# Altium PCB Fri3d_2026_DJ_00.PcbDoc (part 2 of 2)
Units mm, origin at the board's own origin, x right, y up, seen from the top; angles counter-clockwise.
Board outline 165 x 74 mm, 2 copper layers (Top Layer, Bottom Layer), stack 1.571 mm thick; 65 components, 59 nets, 274 pads, 135 vias.
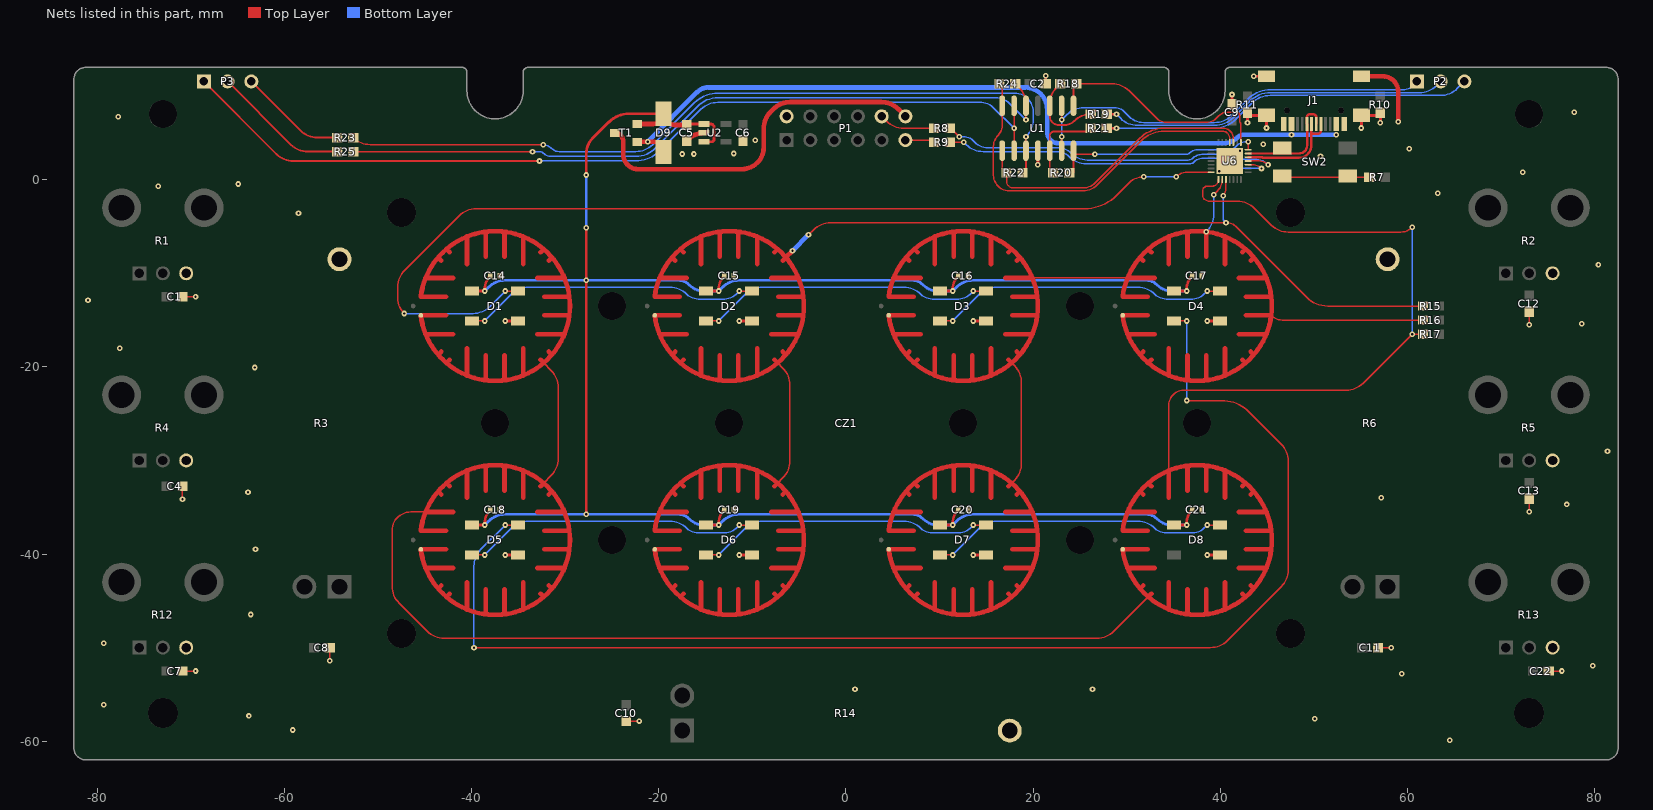
[diagram p2: the nets of this part, all layers, seen from the top]

## Via types
v1: diameter 0.6, hole 0.25, Top Layer to Bottom Layer, 135 vias

## Nets (pads, with @x,y where several pads share a name; then routed paths per layer and width w, separated by ;. In a path a pad name is that pad's centre, name@x,y a point inside that pad or via, vN(x,y) a via of type N, cw(c..) or ccw(c..) an arc to the next point about the centre after c; other vN are vias at no path point) (continued)
GND: C1.2 C2.2 C4.2 C5.2 C6.2 C7.2 C8.2 C9.2 C10.2 C11.2 C12.2 C13.2 C14.2 C15.2 C16.2 C17.2 C18.2 C19.2 C20.2 C21.2 C22.2 D1.3 D2.3 D3.3 D4.3 D5.3 D6.3 D7.3 D8.3 J1.A1 J1.A12 J1.B1 J1.B12 J1.MH1 J1.MH2 J1.MH3 J1.MH4 P1.2 R1.3 R2.3 R3.3 R4.3 R5.3 R6.3 R10.2 R11.2 R12.3 R13.3 R14.3 U1.11 U2.2 U6.29 | length 47.4
  Top Layer w0.15: C7.2@-70.9,-52.5 v1(-69.5,-52.5) ; v1(-70.9,-34.15) C4.2@-70.9,-32.75 ; C1.2@-70.9,-12.5 v1(-69.5,-12.5) ; v1(-55.15,-51.4) C8.2@-55.15,-50 ; C10.2@-23.5,-57.85 v1(-22.1,-57.85) ; C11.2@56.85,-50 v1(58.25,-50) ; v1(73,-35.5) C13.2@73,-34.1 ; v1(73,-15.5) C12.2@73,-14.1 ; C22.2@75.1,-52.5 v1(76.5,-52.5)
  Top Layer w0.3: v1(-36.4,-40.1) D5.3@-35.05,-40.1 ; v1(-36.4,-15.1) D1.3@-35.05,-15.1 ; v1(-11.4,-40.1) D6.3@-10.05,-40.1 ; v1(-11.4,-15.1) D2.3@-10.05,-15.1 ; v1(13.6,-40.1) D7.3@14.95,-40.1 ; v1(13.6,-15.1) D3.3@14.95,-15.1 ; v1(20.5,1.6) U1.11@20.5,3.1 ; C2.2@21.35,10.25 v1(21.35,11.1) ; v1(38.6,-40.1) D8.3@39.95,-40.1 ; v1(38.6,-15.1) D4.3@39.95,-15.1 ; C9.2@41.25,8.05 v1(41.25,9.1) ; v1(42.9,6.1) R11.2@42.9,7.15 43.182,6.868 J1.MH4@44.93,6.868 v1(44.93,5.518) ; v1(43.58,11.048) J1.MH3@44.93,11.048 ; v1(55.07,5.518) J1.MH1@55.07,6.868 56.818,6.868 R10.2@57.1,7.15 v1(57.1,6.1)
  Top Layer w0.5: C5.2@-17,4.15 -16.84,4.31 cw(c-15.175,2.646) U2.2@-15.175,5 ; J1.MH2@55.07,11.048 57.352,11.048 cw(c57.352,9.4) 59,9.4 v1(59,6.2)
  other v1: 64.5,-59.9 -59.1,-58.8 50.1,-57.6 -63.8,-57.3 -79.3,-56.1 0.964,-54.442 26.336,-54.442 59.4,-52.8 79.786,-51.947 -79.299,-49.522 -63.59,-46.465 -63.1,-39.5 77,-34.7 57.2,-34 -63.9,-33.4 81.367,-29.035 -63.169,-20.074 -77.6,-18 78.6,-15.4 -81,-12.9 80.4,-9.1 -58.5,-3.6 63.222,-1.445 -73.5,-0.7 -64.926,-0.465 72.3,0.8 39.9,0.9 50.7,2.5 -17.5,2.75 -16.25,2.75 -12,2.8 42.1,3.1 60.174,3.303 44.6,3.8 -9.7,4.2 -77.752,6.739 77.8,7.2
I2C.SCL: P1.11 R9.2 | length 3.2
  Top Layer w0.15: P1.11@6.35,4.23 9.305,4.23 R9.2@9.4,4
I2C.SDA: P1.10 R8.2 | length 6
  Top Layer w0.15: P1.10@3.81,6.77 4.336,6.244 ccw(c6.132,8.04) 6.132,5.5 R8.2@9.4,5.5
IO.DCK: R9.1 U6.24 | length 35.9
  Top Layer w0.15: R9.1@11.1,4 v1(12.6,4) ; U6.24@42.975,1.6 43.487,1.6 cw(c43.487,0.363) 44.362,1.238 v1(44.4,1.2)
  Bottom Layer w0.15: v1(12.6,4) 12.856,3.744 ccw(c14.652,5.54) 14.652,3 22.508,3 cw(c22.508,1.102) 23.85,2.444 ccw(c25.646,4.24) 25.646,1.7 36.717,1.7 ccw(c36.717,2.383) 37.2,1.9 cw(c38.166,0.934) 38.166,2.3 40.072,2.3 cw(c40.072,0.422) 41.4,1.75 ccw(c42.728,3.078) 42.728,1.2 v1(44.4,1.2)
IO.DIO: R8.1 U6.25 | length 37.8
  Top Layer w0.15: R8.1@11.1,5.5 11.2,5.5 v1(12.1,4.6) ; U6.25@42.975,2 44.16,2 cw(c44.16,0.697) 45.082,1.618 v1(45.1,1.6)
  Bottom Layer w0.15: v1(12.1,4.6) 12.546,4.6 cw(c12.546,3.143) 13.577,4.173 13.75,4 ccw(c15.157,5.407) 15.157,3.417 22.62,3.417 cw(c22.62,1.334) 24.093,2.807 ccw(c25.8,4.514) 25.8,2.1 36.559,2.1 ccw(c36.559,2.866) 37.1,2.324 cw(c38.007,1.417) 38.007,2.7 40.976,2.7 cw(c40.976,1.676) 41.7,2.4 ccw(c42.183,2.883) 42.183,2.2 43.651,2.2 cw(c43.651,0.151) v1(45.1,1.6)
LED.DATA: D1.4 U6.14 | length 108.1
  Top Layer w0.15: v1(-47.2,-14.3) cw(c-45.51,-12.61) -47.9,-12.61 -47.9,-11.452 cw(c-45.36,-11.452) -47.156,-9.656 -41.344,-3.844 cw(c-39.548,-5.64) -39.548,-3.1 25.487,-3.1 ccw(c25.487,1.761) 28.924,-1.676 30.264,-0.336 cw(c31.8,-1.873) v1(31.8,0.3) ; v1(-36.4,-11.9) D1.4@-35.05,-11.9 ; v1(35.3,0.312) cw(c36.478,-0.866) 36.478,0.8 U6.14@39.025,0.8
  Bottom Layer w0.15: v1(-47.2,-14.3) -39.852,-14.3 ccw(c-39.852,-11.76) -38.056,-13.556 v1(-36.4,-11.9) ; v1(31.8,0.3) cw(c31.829,0.271) 31.829,0.312 v1(35.3,0.312)
NetD1_2: D1.2 D2.4 | length 31.9
  Top Layer w0.15: D1.2@-39.95,-15.1 v1(-38.6,-15.1) ; v1(-11.4,-11.9) D2.4@-10.05,-11.9
  Bottom Layer w0.15: v1(-38.6,-15.1) -35.744,-12.244 cw(c-33.948,-14.04) -33.948,-11.5 -18.802,-11.5 cw(c-18.802,-14.04) -17.006,-12.244 ccw(c-15.784,-11.022) -15.784,-12.75 -12.958,-12.75 ccw(c-12.958,-11.04) -11.749,-12.249 v1(-11.4,-11.9)
NetD2_2: D2.2 D3.4 | length 31.9
  Top Layer w0.15: D2.2@-14.95,-15.1 v1(-13.6,-15.1) ; v1(13.6,-11.9) D3.4@14.95,-11.9
  Bottom Layer w0.15: v1(-13.6,-15.1) -10.744,-12.244 cw(c-8.948,-14.04) -8.948,-11.5 6.198,-11.5 cw(c6.198,-14.04) 7.994,-12.244 ccw(c9.216,-11.022) 9.216,-12.75 12.042,-12.75 ccw(c12.042,-11.04) 13.251,-12.249 v1(13.6,-11.9)
NetD3_2: D3.2 D4.4 | length 31.9
  Top Layer w0.15: D3.2@10.05,-15.1 v1(11.4,-15.1) ; v1(38.6,-11.9) D4.4@39.95,-11.9
  Bottom Layer w0.15: v1(11.4,-15.1) 14.256,-12.244 cw(c16.052,-14.04) 16.052,-11.5 31.198,-11.5 cw(c31.198,-14.04) 32.994,-12.244 ccw(c34.216,-11.022) 34.216,-12.75 37.042,-12.75 ccw(c37.042,-11.04) 38.251,-12.249 v1(38.6,-11.9)
NetD4_2: D4.2 D5.4 | length 141.9
  Top Layer w0.15: v1(-39.75,-50) 38.948,-50 ccw(c38.948,-47.46) 40.744,-49.256 46.506,-43.494 ccw(c44.71,-41.698) 47.25,-41.698 47.25,-30.052 ccw(c44.71,-30.052) 46.506,-28.256 43.051,-24.801 ccw(c40.151,-27.701) 40.152,-23.6 v1(36.4,-23.6) ; v1(-36.4,-36.9) D5.4@-35.05,-36.9 ; D4.2@35.05,-15.1 v1(36.4,-15.1)
  Bottom Layer w0.15: v1(-39.75,-50) -39.75,-41.302 cw(c-37.21,-41.302) -39.006,-39.506 v1(-36.4,-36.9) ; v1(36.4,-23.6) v1(36.4,-15.1)
NetD5_2: D5.2 D6.4 | length 31.9
  Top Layer w0.15: D5.2@-39.95,-40.1 v1(-38.6,-40.1) ; v1(-11.4,-36.9) D6.4@-10.05,-36.9
  Bottom Layer w0.15: v1(-38.6,-40.1) -35.744,-37.244 cw(c-33.948,-39.04) -33.948,-36.5 -18.802,-36.5 cw(c-18.802,-39.04) -17.006,-37.244 ccw(c-15.784,-36.022) -15.784,-37.75 -12.958,-37.75 ccw(c-12.958,-36.04) -11.749,-37.249 v1(-11.4,-36.9)
NetD6_2: D6.2 D7.4 | length 31.9
  Top Layer w0.15: D6.2@-14.95,-40.1 v1(-13.6,-40.1) ; v1(13.6,-36.9) D7.4@14.95,-36.9
  Bottom Layer w0.15: v1(-13.6,-40.1) -10.744,-37.244 cw(c-8.948,-39.04) -8.948,-36.5 6.198,-36.5 cw(c6.198,-39.04) 7.994,-37.244 ccw(c9.216,-36.022) 9.216,-37.75 12.042,-37.75 ccw(c12.042,-36.04) 13.251,-37.249 v1(13.6,-36.9)
NetD7_2: D7.2 D8.4 | length 31.9
  Top Layer w0.15: D7.2@10.05,-40.1 v1(11.4,-40.1) ; v1(38.6,-36.9) D8.4@39.95,-36.9
  Bottom Layer w0.15: v1(11.4,-40.1) 14.256,-37.244 cw(c16.052,-39.04) 16.052,-36.5 31.198,-36.5 cw(c31.198,-39.04) 32.994,-37.244 ccw(c34.216,-36.022) 34.216,-37.75 37.042,-37.75 ccw(c37.042,-36.04) 38.251,-37.249 v1(38.6,-36.9)
NetP2_1: P2.1 U1.2 U1.13 | length 45.2
  Top Layer w0.15: U1.13@23.04,3.1 v1(23.04,4.604) ; v1(23.04,6.396) U1.2@23.04,7.9
  Bottom Layer w0.15: v1(23.04,4.604) v1(23.04,6.396) 23.6,6.956 cw(c25.396,5.16) 25.396,7.7 28.7,7.7 cw(c28.7,6.251) 29.724,7.276 30.264,6.736 ccw(c31.8,8.273) 31.8,6.1 39.375,6.1 ccw(c39.375,8.64) 41.171,6.844 42.92,8.592 cw(c45.352,6.16) 45.352,9.6 59.5,9.6 ccw(c59.5,11.049) P2.1@60.524,10.024 ; P2.1@60.524,10.024 P2.1@61,10.5
NetP2_2: P2.2 R19.2 | length 37.7
  Top Layer w0.3: R19.2@27.85,7 v1(28.9,7)
  Bottom Layer w0.15: v1(28.9,7) 29.356,6.544 ccw(c31.152,8.34) 31.152,5.8 39.375,5.8 ccw(c39.375,8.64) 41.383,6.632 43.132,8.38 cw(c45.352,6.16) 45.352,9.3 61.288,9.3 ccw(c61.288,11.84) 63.084,10.044 P2.2@63.54,10.5
NetP2_3: P2.3 R21.2 | length 39.9
  Top Layer w0.3: R21.2@27.85,5.5 v1(28.9,5.5)
  Bottom Layer w0.15: v1(28.9,5.5) 39.375,5.5 ccw(c39.375,8.64) 41.595,6.42 43.344,8.168 cw(c45.352,6.16) 45.352,9 63.528,9 ccw(c63.528,11.54) 65.324,9.744 P2.3@66.08,10.5
NetP3_1: P3.1 U1.6 U1.9 | length 98.2
  Top Layer w0.15: U1.9@17.96,3.1 U1.6@17.96,7.9
  Top Layer w0.2: P3.1@-68.62,10.5 -60.864,2.744 ccw(c-59.068,4.54) -59.068,2 v1(-32.75,2)
  Bottom Layer w0.15: v1(-32.75,2) -22.466,2 ccw(c-22.466,5.54) -19.963,3.037 -15.494,7.506 cw(c-13.698,5.71) -13.698,8.25 14.511,8.25 cw(c14.511,6.564) 15.704,7.756 v1(17.96,5.5)
NetP3_2: P3.2 R25.2 | length 14.8
  Top Layer w0.2: P3.2@-66.08,10.5 -59.324,3.744 ccw(c-57.528,5.54) -57.528,3 R25.2@-54.35,3 R25.2@-54.4,3
NetP3_3: P3.3 R23.2 | length 11.6
  Top Layer w0.2: P3.3@-63.54,10.5 -58.284,5.244 ccw(c-56.488,7.04) -56.488,4.5 R23.2@-54.35,4.5
NetR7_2: R7.2 SW2.1 | length 9.3
  Top Layer w0.15: SW2.1@46.6,0.4 ccw(c46.962,0.762) 46.962,0.25 R7.2@55.9,0.25
NetR18_2: R18.2 R19.1 U1.3 | length 9
  Top Layer w0.2: R18.2@22.9,10.25 22.514,9.864 ccw(c24.31,8.068) 21.77,8.068 U1.3@21.77,7.9 21.77,6.809 ccw(c22.74,6.809) 22.74,5.839 23.373,5.839 ccw(c23.373,7.22) 24.35,6.243 24.369,6.262 cw(c26.15,4.481) R19.1@26.15,7
NetR20_2: R20.2 R21.1 U1.12 | length 9.1
  Top Layer w0.2: R20.2@22.15,0.75 21.77,0.75 U1.12@21.77,3.1 21.77,4.65 cw(c22.279,4.65) 22.279,5.159 25.809,5.159 ccw(c25.809,5.5) R21.1@26.15,5.5
NetR22_2: R22.2 R23.1 U1.10 | length 83.6
  Top Layer w0.15: R23.1@-52.65,4.5 -52.644,4.494 ccw(c-50.848,6.29) -50.848,3.75 v1(-32.354,3.75) ; U1.10@19.23,3.1 v1(19.23,4.604)
  Top Layer w0.2: R22.2@18.85,0.75 19.23,0.75 U1.10@19.23,3.1
  Bottom Layer w0.15: v1(-32.354,3.75) cw(c-32.354,2.646) -31.573,3.427 -31.5,3.354 ccw(c-30.646,4.207) -30.646,3 -22.466,3 ccw(c-22.466,5.54) -20.67,3.744 -16.201,8.213 cw(c-13.698,5.71) -13.698,9.25 18,9.25 cw(c18,7.25) 20,7.25 20,6.426 cw(c17.46,6.426) 19.256,4.63 v1(19.23,4.604)
NetR24_2: R24.2 R25.1 U1.5 | length 79.4
  Top Layer w0.15: R25.1@-52.65,3 v1(-33.5,3) ; v1(19.23,6.396) U1.5@19.23,7.9
  Top Layer w0.2: R24.2@18.1,10.25 18.486,9.864 cw(c16.69,8.068) 19.23,8.068 U1.5@19.23,7.9
  Bottom Layer w0.15: v1(-33.5,3) -32.854,3 cw(c-32.854,2.146) -32.25,2.75 ccw(c-31.646,3.354) -31.646,2.5 -22.466,2.5 ccw(c-22.466,5.54) -20.317,3.39 -15.848,7.86 cw(c-13.698,5.71) -13.698,8.75 15.976,8.75 cw(c15.976,6.577) 17.513,8.113 v1(19.23,6.396)
ROW0: CZ1.2 CZ1.8 CZ1.16 R17.2 U6.15 | length 185.5
  Top Layer w0.15: -44.925,-35.5 -46.5,-35.5 ccw(c-46.5,-37.5) -48.5,-37.5 -48.5,-43.448 ccw(c-45.96,-43.448) -47.756,-45.244 -44.744,-48.256 ccw(c-42.948,-46.46) -42.948,-49 26.836,-49 ccw(c26.836,-46.46) 28.632,-48.256 32.305,-44.583 ; -32.305,-32.417 -31.494,-31.606 ccw(c-33.29,-29.81) -30.75,-29.81 -30.75,-22.19 ccw(c-33.29,-22.19) -31.494,-20.394 -32.305,-19.583 ; 34.5,-31.075 34.5,-24.088 cw(c36.088,-24.088) 36.088,-22.5 53.448,-22.5 ccw(c53.448,-19.96) 55.244,-21.756 v1(60.5,-16.5) R17.2@61.65,-16.5 ; U6.15@39.8,0.025 cw(c39.042,0.025) 39.578,-0.511 cw(c39.122,-0.056) 39.122,-0.7 38.61,-0.7 ccw(c38.61,-1.21) 38.1,-1.21 38.1,-1.6 ccw(c38.8,-1.6) 38.8,-2.3 41.848,-2.3 cw(c41.848,-4.84) 43.644,-3.044 45.456,-4.856 ccw(c47.252,-3.06) 47.252,-5.6 59.293,-5.6 ccw(c59.293,-3.893) v1(60.5,-5.1)
  Bottom Layer w0.15: v1(60.5,-16.5) v1(60.5,-5.1)
ROW1: CZ1.4 CZ1.10 CZ1.12 R16.2 U6.16 | length 46.1
  Top Layer w0.15: 17.695,-32.417 18.006,-32.106 ccw(c16.21,-30.31) 18.75,-30.31 18.75,-21.69 ccw(c16.21,-21.69) 18.006,-19.894 17.695,-19.583 ; 19.925,-10.5 30.075,-10.5 ; v1(39.3,-1.6) 39.687,-1.213 ccw(c38.45,0.025) U6.16@40.2,0.025 ; 45.427,-14.5 ccw(c46.634,-13.293) 46.634,-15 R16.2@61.65,-15
  Bottom Layer w0.15: v1(38.5,-5.573) 38.556,-5.517 ccw(c36.76,-3.721) 39.3,-3.721 v1(39.3,-1.6)
ROW2: CZ1.6 CZ1.14 R15.2 U6.17 | length 91.5
  Top Layer w0.15: -7.305,-32.417 -6.744,-31.856 ccw(c-8.54,-30.06) -6,-30.06 -6,-21.94 ccw(c-8.54,-21.94) -6.744,-20.144 -7.305,-19.583 ; v1(-4.012,-5.9) -3.456,-5.344 cw(c-1.66,-7.14) -1.66,-4.6 v1(40.6,-4.6) 40.695,-4.6 cw(c40.695,-5.932) 41.637,-4.99 42.275,-5.628 49.224,-12.577 ccw(c51.452,-10.349) 51.452,-13.5 R15.2@61.65,-13.5 ; v1(40.3,-1.7) ccw(c39.576,-0.976) 40.6,-0.976 U6.17@40.6,0.025
  Top Layer w0.5: -6.417,-8.305 v1(-5.712,-7.6)
  Bottom Layer w0.15: v1(40.3,-1.7) 40.3,-4.3 v1(40.6,-4.6)
  Bottom Layer w0.5: v1(-5.712,-7.6) v1(-4.012,-5.9)
SCRATCH.A1: R18.1 U1.1 U6.1 | length 25.1
  Top Layer w0.15: R18.1@24.6,10.25 28.448,10.25 cw(c28.448,7.71) 30.244,9.506 33.206,6.544 ccw(c34.212,7.549) 34.212,6.127 38.538,6.127 ccw(c38.538,7.549) 39.544,6.544 39.833,6.833 cw(c40.702,5.964) 40.702,7.193 41.746,7.193 cw(c41.746,6.886) 42.052,6.886 42.052,6.258 ccw(c42.259,6.258) 42.113,6.112 cw(c41.902,5.901) 42.2,5.901 U6.1@42.2,3.975
  Top Layer w0.2: U1.1@24.31,7.9 24.31,10.25 R18.1@24.6,10.25
SCRATCH.A2: R24.1 U1.7 U6.4 | length 39.8
  Top Layer w0.15: U1.7@16.69,7.9 16.69,5.812 cw(c15.188,5.812) 16.25,4.75 ccw(c17.457,3.543) 15.75,3.543 15.75,0.5 ccw(c17.435,0.5) 17.435,-1.185 25.31,-1.185 ccw(c25.31,1.022) 26.871,-0.539 31.627,4.217 cw(c33.961,1.883) 33.961,5.184 40.216,5.184 cw(c40.216,4.4) 41,4.4 U6.4@41,3.975
  Top Layer w0.2: R24.1@16.4,10.25 16.69,10.25 U1.7@16.69,7.9
SCRATCH.B1: R20.1 U1.14 U6.28 | length 22.7
  Top Layer w0.15: U1.14@24.31,2.7 v1(26.6,2.7) ; U6.28@42.975,3.2 v1(42.975,4.05)
  Top Layer w0.2: R20.1@23.85,0.75 24.31,0.75 24.31,2.7 U1.14@24.31,3.1
  Bottom Layer w0.15: v1(26.6,2.7) 36.35,2.7 ccw(c36.35,3.266) 36.75,2.866 cw(c37.557,2.059) 37.557,3.2 40.776,3.2 ccw(c40.776,4.506) 41.7,3.583 cw(c42.828,2.454) 42.828,4.05 v1(42.975,4.05)
SCRATCH.B2: R22.1 U1.8 U6.3 | length 31.6
  Top Layer w0.15: R22.1@17.15,0.75 17.15,-0.135 ccw(c17.9,-0.135) 17.9,-0.885 25.31,-0.885 ccw(c25.31,1.022) 26.659,-0.327 31.415,4.429 cw(c33.961,1.883) 33.961,5.484 40.316,5.484 cw(c40.316,4.4) 41.4,4.4 U6.3@41.4,3.975
  Top Layer w0.2: U1.8@16.69,3.1 16.69,1.65 16.7,1.64 16.7,1.15 17.1,0.75 R22.1@17.15,0.75
USB.D_n: J1.A7 J1.B7 U6.26 | length 11.8
  Top Layer w0.25: U6.26@42.975,2.4 44.5,2.4 44.5,2.35 48.4,2.35 ccw(c48.4,3.676) 49.726,3.676 49.726,4.661 49.726,5.928 cw(c49.75,5.928) J1.A7@49.75,5.953 ; 49.726,4.9 50.4,4.9 ccw(c50.4,5.25) 50.75,5.25 J1.B7@50.75,5.953
USB.D_p: J1.A6 J1.B6 SW2.2@46.6,3.4 U6.27 | length 11.9
  Top Layer w0.25: U6.27@42.975,2.8 48.4,2.8 ccw(c48.4,3.676) 49.276,3.676 49.276,5.927 J1.B6@49.25,5.953 49.25,6.655 cw(c49.6,6.655) 49.6,7.005 49.9,7.005 cw(c49.9,6.655) 50.25,6.655 J1.A6@50.25,5.953
VDJ: C5.1 C14.1 C15.1 C16.1 C17.1 C18.1 C19.1 C20.1 C21.1 D1.1 D2.1 D3.1 D4.1 D5.1 D6.1 D7.1 D8.1 D9.C T1.2 U2.1 U2.3 | length 241.6
  Top Layer w0.3: D5.1@-39.95,-36.9 v1(-38.6,-36.9) -38.6,-36.699 cw(c-36.551,-36.699) C18.1@-38,-35.25 ; D1.1@-39.95,-11.9 v1(-38.6,-11.9) -38.6,-11.699 cw(c-36.551,-11.699) C14.1@-38,-10.25 ; v1(-27.75,-35.75) v1(-27.75,-10.75) v1(-27.75,-5.137) v1@-27.75,-5.1 ; v1(-27.75,0.5) -27.75,2.793 cw(c-25.439,2.793) -27.073,4.427 -25.354,6.146 cw(c-23.172,3.965) -23.172,7.05 D9.C@-19.5,7.05 D9.C@-19.5,8.1 ; C5.1@-17,5.85 cw(c-16.759,5.609) -16.759,5.95 U2.1@-15.175,5.95 -14.45,5.95 cw(c-14.45,5.6) -14.1,5.6 -14.1,4.3 cw(c-14.35,4.3) -14.35,4.05 U2.3@-15.175,4.05 ; D6.1@-14.95,-36.9 v1(-13.6,-36.9) -13.6,-36.699 cw(c-11.551,-36.699) C19.1@-13,-35.25 ; D2.1@-14.95,-11.9 v1(-13.6,-11.9) -13.6,-11.699 cw(c-11.551,-11.699) C15.1@-13,-10.25 ; D7.1@10.05,-36.9 v1(11.4,-36.9) 11.4,-36.699 cw(c13.449,-36.699) C20.1@12,-35.25 ; D3.1@10.05,-11.9 v1(11.4,-11.9) 11.4,-11.699 cw(c13.449,-11.699) C16.1@12,-10.25 ; D8.1@35.05,-36.9 v1(36.4,-36.9) 36.4,-36.699 cw(c38.449,-36.699) C21.1@37,-35.25 ; D4.1@35.05,-11.9 v1(36.4,-11.9) 36.4,-11.699 cw(c38.449,-11.699) C17.1@37,-10.25
  Top Layer w0.5: T1.2@-22.3,5.95 -20.6,5.95 ccw(c-20.6,7.05) D9.C@-19.5,7.05 ccw(c-18.3,7.05) -18.3,5.85 C5.1@-17,5.85
  Bottom Layer w0.3: v1(-38.6,-36.9) -38.194,-36.494 cw(c-36.398,-38.29) -36.398,-35.75 -17.957,-35.75 cw(c-17.957,-37.457) -16.75,-36.25 ccw(c-15.181,-34.681) -15.181,-36.9 v1(-13.6,-36.9) -13.194,-36.494 cw(c-11.398,-38.29) -11.398,-35.75 7.043,-35.75 cw(c7.043,-37.457) 8.25,-36.25 ccw(c9.819,-34.681) 9.819,-36.9 v1(11.4,-36.9) 11.806,-36.494 cw(c13.602,-38.29) 13.602,-35.75 32.043,-35.75 cw(c32.043,-37.457) 33.25,-36.25 ccw(c34.819,-34.681) 34.819,-36.9 v1(36.4,-36.9) ; v1(-38.6,-11.9) -38.194,-11.494 cw(c-36.398,-13.29) -36.398,-10.75 v1(-27.75,-10.75) -17.957,-10.75 cw(c-17.957,-12.457) -16.75,-11.25 ccw(c-15.181,-9.681) -15.181,-11.9 v1(-13.6,-11.9) -13.194,-11.494 cw(c-11.398,-13.29) -11.398,-10.75 7.043,-10.75 cw(c7.043,-12.457) 8.25,-11.25 ccw(c9.819,-9.681) 9.819,-11.9 v1(11.4,-11.9) 11.806,-11.494 cw(c13.602,-13.29) 13.602,-10.75 32.043,-10.75 cw(c32.043,-12.457) 33.25,-11.25 ccw(c34.819,-9.681) 34.819,-11.9 v1(36.4,-11.9) ; v1(-27.75,-5.137) v1(-27.75,0.5)
VSYS: P1.12 T1.3 | length 39.3
  Top Layer w0.5: T1.3@-24.7,5 cw(c-24.7,4.1) -23.8,4.1 -23.8,2.7 ccw(c-22.23,2.7) -22.23,1.13 -11.11,1.13 ccw(c-11.11,3.44) -8.8,3.44 -8.8,5.448 cw(c-6.26,5.448) -8.056,7.244 -7.744,7.556 cw(c-5.948,5.76) -5.948,8.3 3.768,8.3 cw(c3.768,5.76) 5.564,7.556 P1.12@6.35,6.77
VUSB: D9.A J1.A4 J1.A9 J1.B4 J1.B9 T1.1 | length 84
  Top Layer w0.5: T1.1@-22.3,4.05 v1(-21.201,4.05) -20.6,4.05 cw(c-20.6,2.95) D9.A@-19.5,2.95
  Bottom Layer w0.5: v1(-21.201,4.05) -15.875,9.376 cw(c-14.707,8.208) -14.707,9.86 19.14,9.86 cw(c19.14,7.5) 21.5,7.5 21.5,5.076 ccw(c22.679,5.076) 22.679,3.896 40.343,3.896 ccw(c40.343,5.957) 41.8,4.5 cw(c42.524,3.776) 42.524,4.8 v1(47.6,4.8) v1(52.4,4.8)
pads on no net: CZ1.0 D8.2 J1.0 J1.A8 J1.B8 R1.MH R2.MH R4.MH R5.MH R12.MH R13.MH SW2.2@53.6,3.4 U2.4 U6.23

## Polygon pours and split planes (outlines as drawn)
GND on Top Layer "NONET_L-01_P-001" (solid, remove dead copper, pour order 0): -82.5,-62 -82.5,12 82.5,12 82.5,-62
GND on Bottom Layer "NONET_L-01_P-001" (solid, remove dead copper, pour order 1): -82.5,-62 -82.5,12 82.5,12 82.5,-62

## Keep-outs
Bottom Layer:
  circle w0.1: c-47.5,-3.5 r2.9
  circle w0.1: c-47.5,-48.5 r2.9
  circle w0.1: c47.5,-48.5 r2.9
  circle w0.1: c47.5,-3.5 r2.9
Keep-Out Layer:
  circle w0.1: c73,7 r2.9
  circle w0.1: c-73,7 r2.9
  circle w0.1: c-73,-57 r2.9
  circle w0.1: c73,-57 r2.9

## Other copper
Top Layer:
  rectangle net VUSB: 52.1,4.5 52.7,6.7
  rectangle net VUSB: 47.3,4.5 47.9,6.7
  region net GND: 47.1,5.2 44,5.2 44,7.6 46,7.6 46,7.2 ccw(c46.5,7.2) 46.5,6.7 47.1,6.7
  region net GND: 52.9,5.2 56,5.2 56,7.6 54,7.6 54,7.2 cw(c53.5,7.2) 53.5,6.7 52.9,6.7
  region net GND: 51.448,-53.432 52.366,-55.28 52.669,-55.153 52.683,-55.114 52.164,-54.075 54.163,-54.898 51.103,-56.158 51.094,-56.199 54.632,-59.737 58.17,-56.199 58.162,-56.158 55.102,-54.898 57.101,-54.075 56.593,-55.114 56.607,-55.153 56.91,-55.28 57.828,-53.432 57.8,-53.402 54.638,-54.706 51.476,-53.402 hole: 54.632,-55.095 57.565,-56.3 55.218,-58.641 56.415,-56.246 56.401,-56.207 56.099,-56.08 54.632,-59.018 53.166,-56.08 52.864,-56.207 52.849,-56.246 54.047,-58.647 51.7,-56.3
  region net GND: 460 vertices and 0 holes, not listed, extent 29.633,-56.336 31.436,-54.334
  region net GND: 638 vertices and 0 holes, not listed, extent 28.227,-58.375 31.511,-55.991
  region net GND: 380 vertices and 0 holes, not listed, extent 27.663,-55.85 29.726,-54.392
  region net GND: 570 vertices and 0 holes, not listed, extent 27.53,-58.26 28.624,-55.392
  region net GND: -26.395,-57.417 -26.408,-57.374 -26.437,-57.3 -26.531,-57.112 -26.628,-56.924 -26.697,-56.801 -26.845,-56.575 -27.016,-56.349 -27.196,-56.142 -27.366,-55.976 -27.521,-55.849 -27.697,-55.724 -27.862,-55.617 -27.928,-55.598 -27.962,-55.62 -28.097,-55.929 -28.224,-56.239 -28.32,-56.505 -28.353,-56.607 -28.461,-56.401 -28.665,-56.052 -28.899,-55.734 -29.158,-55.45 -29.441,-55.204 -29.527,-55.143 -29.645,-55.07 -29.765,-55.001 -29.799,-54.992 -29.81,-54.998 -29.842,-55.052 -29.878,-55.117 -29.917,-55.196 -29.997,-55.367 -30.054,-55.502 -30.109,-55.649 -30.185,-55.869 -30.274,-56.13 -30.382,-55.978 -30.495,-55.833 -30.637,-55.674 -30.786,-55.522 -30.924,-55.4 -31.035,-55.316 -31.187,-55.215 -31.342,-55.117 -31.383,-55.106 -31.391,-55.11 -31.416,-55.15 -31.444,-55.198 -31.474,-55.256 -31.618,-55.572 -31.75,-55.922 -31.865,-56.292 -31.957,-56.664 -31.996,-56.857 -32.038,-57.088 -32.075,-57.31 -32.081,-57.38 -32.056,-57.406 -31.706,-57.412 -31.095,-57.416 -29.238,-57.417
  region net GND: -32.478,-57.417 -32.478,-57.253 -33.374,-57.24 -33.807,-57.235 -34.383,-57.231 -34.995,-57.228 -35.552,-57.227 -36.096,-57.226 -36.497,-57.222 -36.827,-57.217 -36.835,-57.209 -36.842,-57.106 -37.029,-55.729 -37.219,-54.328 -37.233,-54.277 -37.256,-54.247 -37.295,-54.226 -37.344,-54.217 -37.395,-54.223 -37.415,-54.231 -37.434,-54.244 -37.451,-54.26 -37.461,-54.277 -37.471,-54.311 -37.513,-54.593 -37.56,-54.917 -37.612,-55.293 -37.663,-55.667 -37.707,-55.983 -37.747,-56.268 -37.75,-56.273 -37.751,-56.273 -37.752,-56.272 -37.793,-55.984 -37.838,-55.664 -37.89,-55.283 -37.99,-54.561 -38.032,-54.344 -38.079,-54.25 -38.152,-54.215 -38.225,-54.25 -38.273,-54.345 -38.315,-54.563 -38.417,-55.289 -38.47,-55.672 -38.515,-55.992 -38.556,-56.277 -38.557,-56.278 -38.557,-56.277 -38.589,-56.051 -38.701,-55.234 -38.823,-54.334 -38.824,-54.312 -38.836,-54.281 -38.87,-54.248 -38.914,-54.224 -38.957,-54.215 -38.982,-54.218 -39.008,-54.226 -39.033,-54.238 -39.052,-54.253 -39.066,-54.269 -39.078,-54.287 -39.087,-54.302 -39.089,-54.314 -39.091,-54.332 -39.145,-54.749 -39.206,-55.214 -39.279,-55.763 -39.352,-56.311 -39.413,-56.776 -39.467,-57.193 -39.468,-57.208 -39.478,-57.218 -40.06,-57.222 -40.784,-57.226 -41.824,-57.227 -42.792,-57.228 -43.755,-57.231 -44.592,-57.235 -45.091,-57.24 -46.004,-57.253 -46.004,-57.417 -39.293,-57.407 -39.259,-57.36 -39.238,-57.309 -39.205,-57.121 -39.163,-56.84 -39.098,-56.365 -39.048,-56.001 -39.004,-55.692 -38.964,-55.417 -38.959,-55.404 -38.955,-55.403 -38.953,-55.406 -38.912,-55.679 -38.866,-55.988 -38.815,-56.359 -38.72,-57.047 -38.677,-57.276 -38.632,-57.381 -38.566,-57.417 -38.523,-57.412 -38.485,-57.397 -38.455,-57.375 -38.437,-57.346 -38.426,-57.303 -38.296,-56.379 -38.171,-55.485 -38.16,-55.371 -38.156,-55.367 -38.152,-55.37 -38.132,-55.484 -38.097,-55.731 -38.019,-56.299 -37.971,-56.656 -37.928,-56.967 -37.891,-57.234 -37.884,-57.282 -37.866,-57.337 -37.835,-57.38 -37.794,-57.407 -37.746,-57.417 -37.675,-57.381 -37.629,-57.282 -37.586,-57.058 -37.489,-56.359 -37.438,-55.989 -37.393,-55.679 -37.351,-55.406 -37.349,-55.403 -37.345,-55.404 -37.339,-55.417 -37.299,-55.692 -37.256,-56.001 -37.206,-56.365 -37.141,-56.844 -37.099,-57.123 -37.067,-57.309 -37.045,-57.36 -37.011,-57.407

## Silkscreen, mask and mechanical layers (free items; w line width, h text height)
Top Overlay:
  drawing of 31 lines, arcs and shapes, not listed
  text "1" at -57.25,-3.25 h4
  text "2" at 54.5,-3.25 h4
  text "Hi" at -78.248,-13.25 h4
  text "Hi" at 75.002,-13.25 h4
  text "Mid" at -80.748,-33.228 h4
  text "Mid" at 74.502,-33.228 h4
  text "Low" at -81.248,-52.978 h4
  text "Low" at 76.002,-53.228 h4
Bottom Overlay:
  region: 67.25,2.75 ccw(c67.25,3.25) 67.75,3.25 67.75,4.75 ccw(c67.25,4.75) 67.25,5.25
  region: 64.75,2.75 cw(c64.75,3.25) 64.25,3.25 64.25,4.75 cw(c64.75,4.75) 64.75,5.25
  region: -65.079,2.169 cw(c-65.079,2.669) -65.579,2.669 -65.579,4.169 cw(c-65.079,4.169) -65.079,4.669
  region: -62.579,2.169 ccw(c-62.579,2.669) -62.079,2.669 -62.079,4.169 ccw(c-62.579,4.169) -62.579,4.669
  lines w0.15: -21.5,-26.75 -19,-26.75 cw(c-19,-27.25) -18.5,-27.25 -18.5,-31.5 cw(c-19,-31.5) -19,-32 -20,-32 ; -21.5,-19.75 -19,-19.75 cw(c-19,-20.25) -18.5,-20.25 -18.5,-24.5 cw(c-19,-24.5) -19,-25 -20,-25 ; -20,-28.5 -18.5,-28.5 ; -20,-21.5 -18.5,-21.5 ; -19.5,-30.25 -18.5,-30.25 ; -19.5,-23.25 -18.5,-23.25 ; -18.5,-29.25 -18,-29.25 ; -18.5,-22.25 -18,-22.25 ; -0.5,-29 0,-29 ccw(c0,-28.5) 0.5,-28.5 0.5,-26 ccw(c0,-26) 0,-25.5 -0.5,-25.5 ; -0.5,-27.25 0.5,-27.25 ; -0.25,-23.75 0.25,-23.75 ccw(c0.25,-23.25) 0.75,-23.25 0.75,-20.75 ccw(c0.25,-20.75) 0.25,-20.25 -0.25,-20.25 ; -0.25,-22 0.75,-22 ; 1,-27.25 0.5,-27.25 ; 1.25,-22 0.75,-22 ; 1.75,-16.5 2.75,-16.5 cw(c2.75,-17) 3.25,-17 3.25,-17.75 cw(c2.75,-17.75) 2.75,-18.25 2.25,-18.25 ; 2.25,-37.75 5,-37.75 ; 2.75,-39.5 4.5,-39.5 ccw(c4.5,-39) 5,-39 5,-31.25 ccw(c4.5,-31.25) 4.5,-30.75 3.75,-30.75 ; 2.75,-36 5,-36 ; 3.25,-32.5 5,-32.5 ; 3.25,-17.25 3.75,-17.25 ; 3.75,-34.25 5,-34.25 ; 5,-35.25 5.5,-35.25 ; -18.5,-28.5 ccw(c-18.5,-28.5) -18.5,-28.5 ; -18.5,-21.5 ccw(c-18.5,-21.5) -18.5,-21.5 ; 0.5,-27.25 ccw(c0.5,-27.25) 0.5,-27.25 ; 0.75,-22 ccw(c0.75,-22) 0.75,-22 ; 5,-32.5 ccw(c5,-32.5) 5,-32.5
  text "GND" at -6.85,8.29 h1.5 r270
  text "44" at -4.31,8.29 h1.5 r270
  text "47" at -1.77,8.29 h1.5 r270
  text "15" at 0.77,8.29 h1.5 r270
  text "SDA" at 3.31,8.29 h1.5 r270
  text "VSYS" at 5.85,8.29 h1.5 r270
  text "Wim" at -28.5,8 h2 r351
  text "1" at 67.25,2.75 h4
  text "2" at -62.579,2.169 h4
  text ".PCB_TITLE / Rev. .PCB_Rev" at -26.901,0.987 h2.5 r359.98
  text "B / A / COM" at -71.87,0 h4 r270
  text "B / A / COM" at 57.75,0 h4 r270
  text "3V" at -6.85,-0.29 h1.5 r270
  text "43" at -4.31,-0.29 h1.5 r270
  text "2" at -1.77,-0.29 h1.5 r270
  text "16" at 0.77,-0.29 h1.5 r270
  text "17" at 3.31,-0.29 h1.5 r270
  text "SCL" at 5.85,-0.29 h1.5 r270
  text "PC19-DCK" at -3.5,-17.25 h2.5
  text "SCL :" at 3,-17.25 h2.5
  text "I²C" at 8,-18 h2.5
  text "PC18-DIO" at -3.5,-19 h2.5
  text "SDA :" at 3,-19 h2.5
  text "PA0-A0" at -25.25,-20.5 h2.5
  text "Hi :" at -18.75,-20.5 h2.5
  text "PC15" at -3.5,-21 h2.5
  text "A :" at 0,-21 h2.5
  text "PA1-A1" at -25.25,-22.25 h2.5
  text "Mid :" at -18.75,-22.25 h2.5
  text "PC3" at -3.5,-22.75 h2.5
  text "B :" at 0,-22.75 h2.5
  text "Scratch 1" at 15.25,-22.75 h2.5
  text "1" at -15.5,-23 h2.5
  text "PA2-A2" at -25.25,-24 h2.5
  text "Low :" at -18.75,-24 h2.5
  text "PC0" at -3.5,-24.5 h2.5
  text "C :" at 0,-24.5 h2.5
  text "PA3-A3" at -25.25,-25.75 h2.5
  text "Fad :" at -18.75,-25.75 h2.5
  text "PB10" at -3.75,-26.25 h2.5
  text "A :" at -0.25,-26.25 h2.5
  text "PA6-A6" at -25.25,-27.5 h2.5
  text "Hi :" at -18.75,-27.5 h2.5
  text "PB11" at -3.75,-28 h2.5
  text "B :" at -0.25,-28 h2.5
  text "Scratch 2" at 15,-28 h2.5
  text "PA7-A7" at -25.25,-29.25 h2.5
  text "Mid :" at -18.75,-29.25 h2.5
  text "PB12" at -3.75,-29.75 h2.5
  text "C :" at -0.25,-29.75 h2.5
  text "2" at -15.5,-30 h2.5
  text "PB0-A8" at -25.25,-31 h2.5
  text "Low :" at -18.75,-31 h2.5
  text "PB4" at -3.75,-31.5 h2.5
  text "Row 0 :" at 4.75,-31.5 h2.5
  text "PA5-A5" at -25.25,-32.75 h2.5
  text "Fad :" at -18.75,-32.75 h2.5
  text "PB5" at -3.75,-33.25 h2.5
  text "Row 1 :" at 4.75,-33.25 h2.5
  text "PA4-A4" at -25.25,-34.5 h2.5
  text "Fader :" at -17.75,-34.5 h2.5
  text "PB6" at -3.75,-35 h2.5
  text "Row 2 :" at 4.75,-35 h2.5
  text "Keypad" at 19.5,-36 h2.5
  text "PB7" at -3.75,-36.75 h2.5
  text "Col 0 :" at 4.75,-36.75 h2.5
  text "PB8" at -3.75,-38.5 h2.5
  text "Col 1 :" at 4.75,-38.5 h2.5
  text "PB9" at -3.75,-40.25 h2.5
  text "Col 2 :" at 4.75,-40.25 h2.5
Board Outline:
  lines w0.1: 81.23,12 ccw(c81.23,12) 81.23,12 ; 81.23,12 cw(c81.23,10.73) 82.5,10.73 82.5,-60.73 cw(c81.23,-60.73) 81.23,-62 -81.23,-62 cw(c-81.23,-60.73) -82.5,-60.73 -82.5,10.73 cw(c-81.23,10.73) -81.23,12 -41.022,12 cw(c-41.022,11.478) -40.5,11.478 -40.5,9.5 ccw(c-37.5,9.5) -34.5,9.5 -34.5,11.478 cw(c-33.978,11.478) -33.978,12 33.978,12 cw(c33.978,11.478) 34.5,11.478 34.5,9.5 ccw(c37.5,9.5) 40.5,9.5 40.5,11.478 cw(c41.022,11.478) 41.022,12 81.23,12
Fabrication:
  text "White Solder Mask" at -80,-74 h1.5
  text "Black Silkscreen" at -80,-77 h1.5
  text "1.6mm Thickness" at -80,-83 h1.5
Stencil:
  region: -70.45,37 cw(c-73,37) -73,34.45 cw(c-73,37) -75.55,37 cw(c-73,37) -73,39.55 cw(c-73,37)
  region: 75.55,37 cw(c73,37) 73,34.45 cw(c73,37) 70.45,37 cw(c73,37) 73,39.55 cw(c73,37)
  lines w0.15: -102.5,-110.5 102.5,-110.5 102.5,56 -102.5,56 -102.5,-110.5
Frame:
  drawing of 15 lines, arcs and shapes, not listed
  text "Document" at 180.402,-99.311 h2
  text ".PCB_TITLE" at 181.902,-104.811 h3.2
  text "Layer Name" at 180.402,-109.311 h2
  text "Date" at 180.402,-119.311 h2
  text "Rev" at 220.402,-119.311 h2
  text ".Print_Date" at 183.402,-124.811 h3.5
  text ".PCB_REV" at 224.902,-124.811 h4
  text "Desginer" at 130.402,-129.311 h2
  text "Document" at 180.402,-129.311 h2
  text ".Pcb_File_Name_No_Path" at 181.902,-134.311 h1.5
  text ".PCB_ENGINEER" at 134.902,-134.811 h4
Drill Drawing:
  circle w0.15: c82.744,34.91 r0.444
  circle w0.15: c82.744,24.91 r0.267
  circle w0.15: c82.744,24.91 r0.444
  lines w0.15: 81.497,23.866 208.715,23.866 ; 81.497,41.866 208.715,41.866 ; 88.895,21.866 88.895,43.866 ; 96.793,21.866 96.793,43.866 ; 112.155,21.866 112.155,43.866 ; 118.954,21.866 118.954,43.866 ; 128.791,21.866 128.791,43.866 ; 148.818,21.866 148.818,43.866 ; 156.736,21.866 156.736,43.866 ; 166.734,21.866 166.734,43.866 ; 178.364,21.866 178.364,43.866 ; 189.96,21.866 189.96,43.866 ; 81.497,21.866 208.715,21.866 208.715,43.866 81.497,43.866 81.497,21.866 ; 82.299,26.688 82.521,26.688 82.744,26.466 82.966,26.688 83.188,26.688 82.966,26.91 83.188,27.132 82.966,27.132 82.744,27.355 82.521,27.132 82.299,27.132 82.521,26.91 82.299,26.688 ; 82.299,28.466 83.188,28.466 83.188,29.355 82.299,29.355 82.299,28.466 ; 82.299,31.355 83.188,31.355 82.744,30.466 82.299,31.355 ; 82.299,32.688 82.521,32.688 82.521,32.466 82.966,32.466 82.966,32.688 83.188,32.688 83.188,33.132 82.966,33.132 82.966,33.355 82.521,33.355 82.521,33.132 82.299,33.132 82.299,32.688 ; 82.299,36.466 82.744,36.688 83.188,36.466 82.966,36.91 83.188,37.355 82.744,37.132 82.299,37.355 82.521,36.91 82.299,36.466 ; 82.299,38.466 82.299,38.688 82.521,38.91 82.299,39.132 82.299,39.355 82.521,39.355 82.744,39.132 82.966,39.355 83.188,39.355 83.188,39.132 82.966,38.91 83.188,38.688 83.188,38.466 82.966,38.466 82.744,38.688 82.521,38.466 82.299,38.466 ; 82.299,40.466 83.188,40.466 83.188,41.355 82.299,41.355 82.299,40.466 ; 82.477,40.644 83.01,40.644 83.01,41.177 82.477,41.177 82.477,40.644
  text "Symbol" at 82.697,42.466 h0.96
  text "Count" at 89.495,42.466 h0.96
  text "Hole Size" at 97.393,42.466 h0.96
  text "Plated" at 112.755,42.466 h0.96
  text "Hole Type" at 119.554,42.466 h0.96
  text "Drill Layer Pair" at 129.391,42.466 h0.96
  text "Via/Pad" at 149.418,42.466 h0.96
  text "Pad Shape" at 157.336,42.466 h0.96
  text "Template" at 167.334,42.466 h0.96
  text "Hole Length" at 178.964,42.466 h0.96
  text "Routed Path Length" at 190.56,42.466 h0.96
  text "2" at 89.495,40.466 h0.8
  text "0.650mm (25.59mil)" at 97.393,40.466 h0.8
  text "NPTH" at 112.755,40.466 h0.8
  text "Round" at 119.554,40.466 h0.8
  text "Top Layer - Bottom Layer" at 129.391,40.466 h0.8
  text "Pad" at 149.418,40.466 h0.8
  text "Rounded" at 157.336,40.466 h0.8
  text "c65hn65" at 167.334,40.466 h0.8
  text "-" at 178.964,40.466 h0.8
  text "-" at 190.56,40.466 h0.8
  text "2" at 89.495,38.466 h0.8
  text "3.200mm (125.98mil)" at 97.393,38.466 h0.8
  text "NPTH" at 112.755,38.466 h0.8
  text "Round" at 119.554,38.466 h0.8
  text "Top Layer - Bottom Layer" at 129.391,38.466 h0.8
  text "Pad" at 149.418,38.466 h0.8
  text "Rounded" at 157.336,38.466 h0.8
  text "c320hn320m620" at 167.334,38.466 h0.8
  text "-" at 178.964,38.466 h0.8
  text "-" at 190.56,38.466 h0.8
  text "4" at 89.495,36.466 h0.8
  text "3.100mm (122.05mil)" at 97.393,36.466 h0.8
  text "NPTH" at 112.755,36.466 h0.8
  text "Round" at 119.554,36.466 h0.8
  text "Top Layer - Bottom Layer" at 129.391,36.466 h0.8
  text "Pad" at 149.418,36.466 h0.8
  text "Rounded" at 157.336,36.466 h0.8
  text "c310hn310" at 167.334,36.466 h0.8
  text "-" at 178.964,36.466 h0.8
  text "-" at 190.56,36.466 h0.8
  text "9" at 89.495,34.466 h0.8
  text "1.700mm (66.93mil)" at 97.393,34.466 h0.8
  text "PTH" at 112.755,34.466 h0.8
  text "Round" at 119.554,34.466 h0.8
  text "Top Layer - Bottom Layer" at 129.391,34.466 h0.8
  text "Pad" at 149.418,34.466 h0.8
  text "(Mixed)" at 157.336,34.466 h0.8
  text "(Mixed)" at 167.334,34.466 h0.8
  text "-" at 178.964,34.466 h0.8
  text "-" at 190.56,34.466 h0.8
  text "10" at 89.495,32.466 h0.8
  text "3.000mm (118.11mil)" at 97.393,32.466 h0.8
  text "NPTH" at 112.755,32.466 h0.8
  text "Round" at 119.554,32.466 h0.8
  text "Top Layer - Bottom Layer" at 129.391,32.466 h0.8
  text "Pad" at 149.418,32.466 h0.8
  text "Rounded" at 157.336,32.466 h0.8
  text "(Mixed)" at 167.334,32.466 h0.8
  text "-" at 178.964,32.466 h0.8
  text "-" at 190.56,32.466 h0.8
  text "12" at 89.495,30.466 h0.8
  text "2.770mm (109.06mil)" at 97.393,30.466 h0.8
  text "PTH" at 112.755,30.466 h0.8
  text "Round" at 119.554,30.466 h0.8
  text "Top Layer - Bottom Layer" at 129.391,30.466 h0.8
  text "Pad" at 149.418,30.466 h0.8
  text "Rounded" at 157.336,30.466 h0.8
  text "c416h277" at 167.334,30.466 h0.8
  text "-" at 178.964,30.466 h0.8
  text "-" at 190.56,30.466 h0.8
  text "18" at 89.495,28.466 h0.8
  text "0.900mm (35.43mil)" at 97.393,28.466 h0.8
  text "PTH" at 112.755,28.466 h0.8
  text "Round" at 119.554,28.466 h0.8
  text "Top Layer - Bottom Layer" at 129.391,28.466 h0.8
  text "Pad" at 149.418,28.466 h0.8
  text "(Mixed)" at 157.336,28.466 h0.8
  text "(Mixed)" at 167.334,28.466 h0.8
  text "-" at 178.964,28.466 h0.8
  text "-" at 190.56,28.466 h0.8
  text "18" at 89.495,26.466 h0.8
  text "1.000mm (39.37mil)" at 97.393,26.466 h0.8
  text "PTH" at 112.755,26.466 h0.8
  text "Round" at 119.554,26.466 h0.8
  text "Top Layer - Bottom Layer" at 129.391,26.466 h0.8
  text "Pad" at 149.418,26.466 h0.8
  text "(Mixed)" at 157.336,26.466 h0.8
  text "(Mixed)" at 167.334,26.466 h0.8
  text "-" at 178.964,26.466 h0.8
  text "-" at 190.56,26.466 h0.8
  text "135" at 89.495,24.466 h0.8
  text "0.250mm (9.84mil)" at 97.393,24.466 h0.8
  text "PTH" at 112.755,24.466 h0.8
  text "Round" at 119.554,24.466 h0.8
  text "Top Layer - Bottom Layer" at 129.391,24.466 h0.8
  text "Via" at 149.418,24.466 h0.8
  text "Rounded" at 157.336,24.466 h0.8
  text "v60h25m45" at 167.334,24.466 h0.8
  text "-" at 178.964,24.466 h0.8
  text "-" at 190.56,24.466 h0.8
  text "210 Total" at 89.495,22.466 h0.8

## Dimensions
-81.23,12 to -81.23,-62 on Fabrication
-82.5,-60.73 to 82.5,-60.73 on Fabrication

## Text inside footprints (layer, text, board x,y; h text height)
J1: Comments "PCB Edge" at 52.3,13 h0.61 r180